# Altium PCB PDB_Mother_v1.1_PCB.PcbDoc (part 1 of 3) (continued)
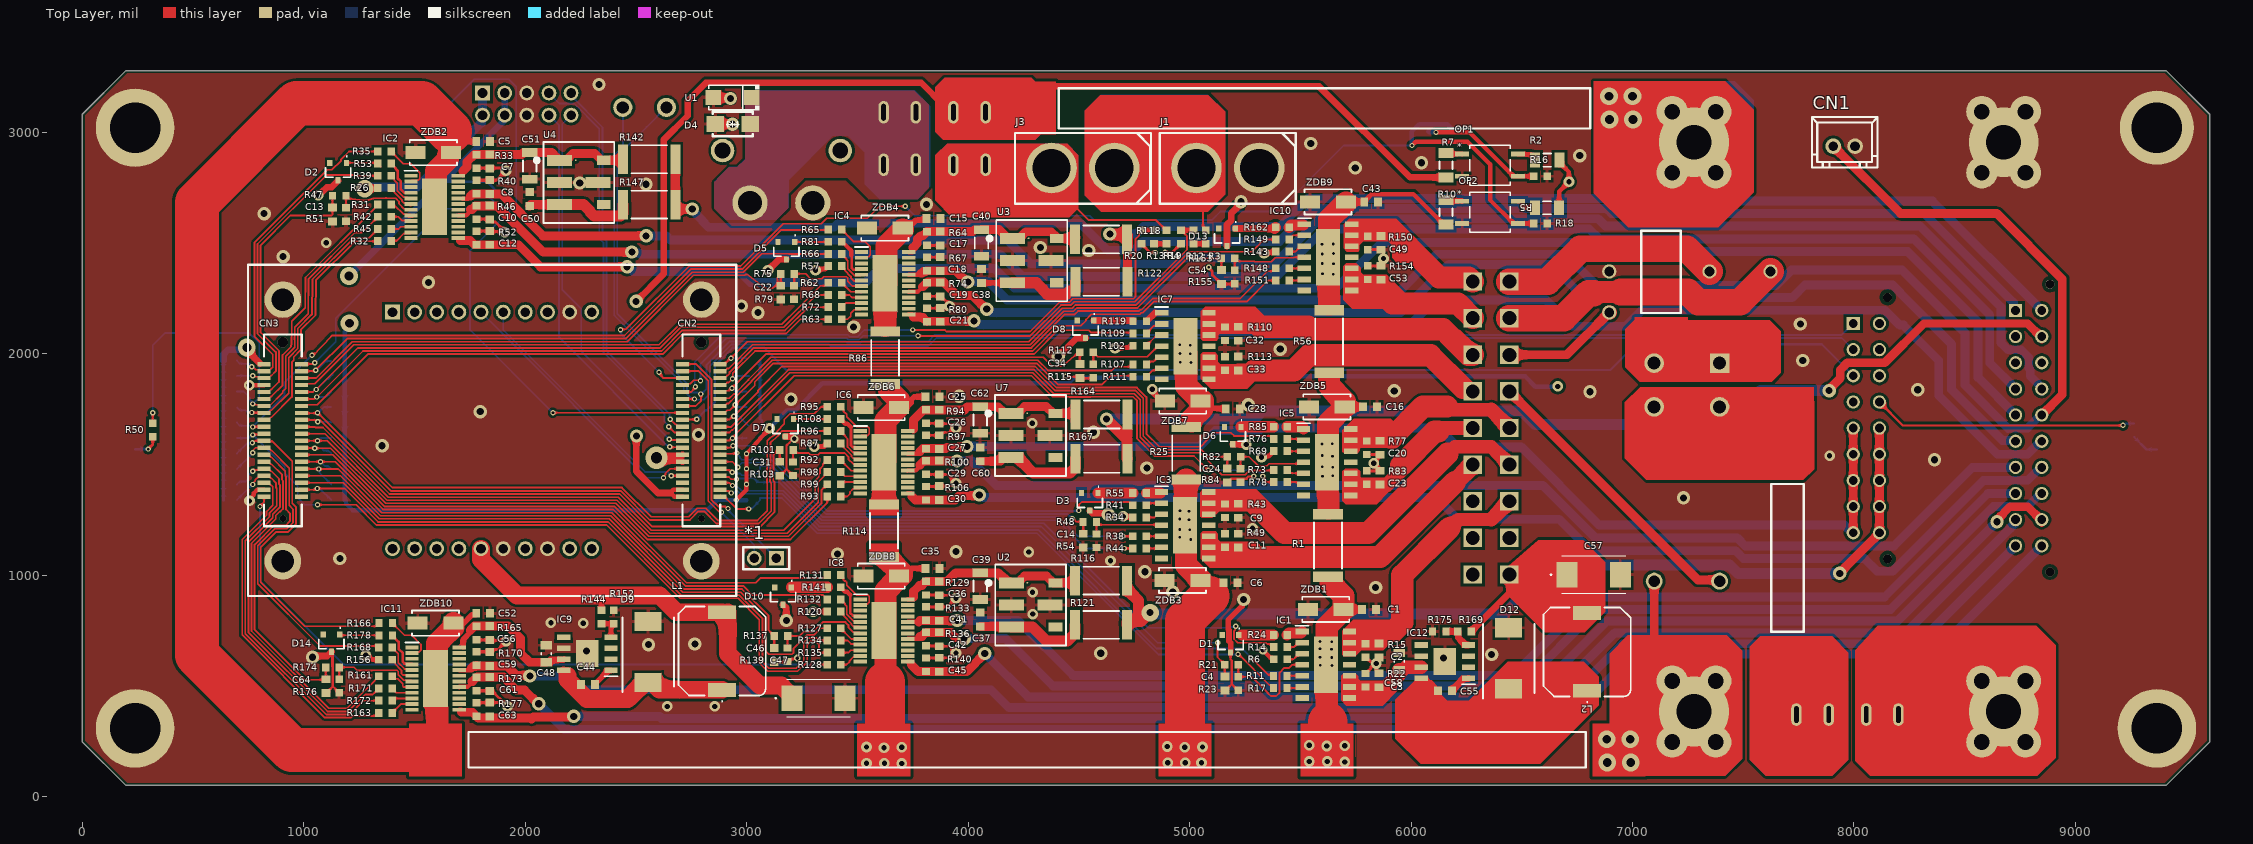
[diagram p0: Top Layer view]
## Components (designator, comment, footprint, x,y, rotation, side; value= is the part's Value field where it differs from the comment) (continued)
LED1 "0603_R" LED0603-RD_RED 6078,2972.44 r90 bottom
LED2 "0603_R" LED0603-RD_RED 6195,2973 r90 bottom
LED3 "0603_R" LED0603-RD_RED 1828.84,2686 r90 bottom
LOW1 "43045-2012" 43045-20YY_121314 8730,2195.17 r90 bottom
LOW2 "43045-1812" 43045-18YY_121314 7996.89,2136.17 r90 bottom
OP1 "EL357N(C)(TA)-VG" SOP-4-2.54mm 6357,2851 r0 top
OP2 "EL357N(C)(TA)-VG" SOP-4-2.54mm 6357,2638.44 r0 top
R1 "PCB_Jumper_QM8.2" PCB_Jumper 5625,1134 r90 top
R2 "3K" RESC3116X06N__1206RES 6615,2874 r180 top
R3 "20K" RESC1608X04N_0603RES 5073,2526.51 r90 top
R4 "75K" RESC1608X04N_0603RES 4895,2526.51 r90 top
R5 "3K" RESC3116X06N__1206RES 6614,2659 r180 top
R6 "10K" RESC1608X04N_0603RES 5410,620 r180 top
R7 "3K" RESC3116X06N__1206RES 6158,2851 r270 top
R8 "10K" RESC1608X04N_0603RES 3029.5,1338.58 r0 bottom
R9 "10K" RESC1608X04N_0603RES 3029.5,1408.57 r0 bottom
R10 "3K" RESC3116X06N__1206RES 6158,2638.44 r270 top
R11 "10K" RESC1608X04N_0603RES 5409.49,545 r180 top
R12 "20K" RESC1608X04N_0603RES 5017,2526.51 r90 top
R13 "15K" RESC1608X04N_0603RES 4839,2526.51 r90 top
R14 "10K" RESC1608X04N_0603RES 5410,675 r180 top
R15 "47K" RESC1608X04N_0603RES 5795,660 r90 top
R16 "10K" RESC1608X04N_0603RES 6584,2801 r180 top
R17 "10K" RESC1608X04N_0603RES 5409.49,490 r180 top
R18 "10K" RESC1608X04N_0603RES 6584,2588 r180 top
R19 "10K" RESC1608X04N_0603RES 4961,2526.51 r270 top
R20 "10K" RESC1608X04N_0603RES 4783,2526 r270 top
R21 "10K" RESC1608X04N_0603RES 5189.49,595 r180 top
R22 "47K" RESC1608X04N_0603RES 5795,525 r270 top
R23 "650Ω" RESC1608X04N_0603RES 5220,510 r90 top
R24 "27" RESC1608X04N_0603RES 5410,730 r180 top
R25 "0Ω" RESC6432X06N__2512RES 4985,1550 r90 top
R26 "10K" RESC1608X04N_0603RES 1365,2748 r180 top
R27 "10K" RESC1608X04N_0603RES 668,1758.53 r0 bottom
R28 "10K" RESC1608X04N_0603RES 668,1828.52 r0 bottom
R29 "10K" RESC1608X04N_0603RES 668,1898.51 r0 bottom
R30 "10K" RESC1608X04N_0603RES 668,1968.5 r0 bottom
R31 "10K" RESC1608X04N_0603RES 1364.49,2673 r180 top
R32 "10K" RESC1608X04N_0603RES 1364.49,2508 r180 top
R33 "47K" RESC1608X04N_0603RES 1780,2868.51 r90 top
R34 "10K" RESC1608X04N_0603RES 4774.21,1260.51 r180 top
R35 "10K" RESC1608X04N_0603RES 1365,2913 r180 top
R36 "10K" RESC1608X04N_0603RES 3029.5,1478.57 r0 bottom
R37 "10K" RESC1608X04N_0603RES 3029.5,1548.56 r0 bottom
R38 "10K" RESC1608X04N_0603RES 4774.21,1175.51 r180 top
R39 "10K" RESC1608X04N_0603RES 1365,2803 r180 top
R40 "47K" RESC1608X04N_0603RES 1780,2752.49 r270 top
R41 "10K" RESC1608X04N_0603RES 4774.21,1315.51 r180 top
R42 "10K" RESC1608X04N_0603RES 1364.49,2618 r180 top
R43 "47K" RESC1608X04N_0603RES 5159.21,1290.51 r90 top
R44 "10K" RESC1608X04N_0603RES 4774.21,1120.51 r180 top
R45 "10K" RESC1608X04N_0603RES 1364.49,2563 r180 top
R46 "47K" RESC1608X04N_0603RES 1780,2638 r90 top
R47 "10K" RESC1608X04N_0603RES 1160,2713 r180 top
R48 "10K" RESC1608X04N_0603RES 4549.21,1240.51 r180 top
R49 "47K" RESC1608X04N_0603RES 5159.21,1155.51 r270 top
R50 "1K" RESC1608X04N_0603RES 318,1656 r270 top
R51 "650Ω" RESC1608X04N_0603RES 1190,2627.49 r90 top
R52 "47K" RESC1608X04N_0603RES 1780,2523 r270 top
R53 "27" RESC1608X04N_0603RES 1365,2858 r0 top
R54 "650Ω" RESC1608X04N_0603RES 4579.21,1155 r90 top
R55 "27" RESC1608X04N_0603RES 4774.21,1370.51 r180 top
R56 "PCB_Jumper_QM8.2" PCB_Jumper 5630,2055 r90 top
R57 "10K" RESC1608X04N_0603RES 3399.21,2395.28 r180 top
R58 "10K" RESC1608X04N_0603RES 1154,1828.52 r180 bottom
R59 "10K" RESC1608X04N_0603RES 1154,1898.51 r180 bottom
R60 "10K" RESC1608X04N_0603RES 1154,1968.5 r180 bottom
R61 "10K" RESC1608X04N_0603RES 668,1688.54 r0 bottom
R62 "10K" RESC1608X04N_0603RES 3399.49,2320 r180 top
R63 "10K" RESC1608X04N_0603RES 3399.49,2155 r180 top
R64 "47K" RESC1608X04N_0603RES 3814.21,2520.28 r90 top
R65 "10K" RESC1608X04N_0603RES 3399.21,2560.28 r180 top
R66 "10K" RESC1608X04N_0603RES 3399.21,2450.28 r180 top
R67 "47K" RESC1608X04N_0603RES 3814.21,2405.28 r270 top
R68 "10K" RESC1608X04N_0603RES 3399.49,2265 r180 top
R69 "10K" RESC1608X04N_0603RES 5410.51,1560 r180 top
R70 "10K" RESC1608X04N_0603RES 3029.5,1618.55 r180 bottom
R71 "10K" RESC1608X04N_0603RES 3029.5,1688.54 r180 bottom
R72 "10K" RESC1608X04N_0603RES 3399.49,2210 r180 top
R73 "10K" RESC1608X04N_0603RES 5410,1475 r180 top
R74 "47K" RESC1608X04N_0603RES 3814.21,2289.76 r90 top
R75 "10K" RESC1608X04N_0603RES 3184.21,2360.28 r180 top
R76 "10K" RESC1608X04N_0603RES 5410.51,1615 r180 top
R77 "47K" RESC1608X04N_0603RES 5800,1575 r90 top
R78 "10K" RESC1608X04N_0603RES 5410,1420 r180 top
R79 "650Ω" RESC1608X04N_0603RES 3214.21,2275.28 r90 top
R80 "47K" RESC1608X04N_0603RES 3814.21,2174.76 r270 top
R81 "27" RESC1608X04N_0603RES 3399.21,2505.28 r0 top
R82 "10K" RESC1608X04N_0603RES 5200,1534.49 r180 top
R83 "47K" RESC1608X04N_0603RES 5800,1440 r270 top
R84 "650Ω" RESC1608X04N_0603RES 5230,1449.49 r90 top
R85 "27" RESC1608X04N_0603RES 5410,1670 r180 top
R86 "0Ω" RESC6432X06N__2512RES 3625,1981.89 r90 top
R87 "10K" RESC1608X04N_0603RES 3394.49,1595 r180 top
R88 "10K" RESC1608X04N_0603RES 1154,1548.56 r180 bottom
R89 "10K" RESC1608X04N_0603RES 1154,1618.55 r180 bottom
R90 "10K" RESC1608X04N_0603RES 1154,1688.54 r180 bottom
R91 "10K" RESC1608X04N_0603RES 1154,1758.53 r180 bottom
R92 "10K" RESC1608X04N_0603RES 3394.49,1520 r180 top
R93 "10K" RESC1608X04N_0603RES 3394.49,1355 r180 top
R94 "47K" RESC1608X04N_0603RES 3809.21,1715.79 r90 top
R95 "10K" RESC1608X04N_0603RES 3394.49,1760 r180 top
R96 "10K" RESC1608X04N_0603RES 3394.49,1650 r180 top
R97 "47K" RESC1608X04N_0603RES 3809.21,1600.79 r270 top
R98 "10K" RESC1608X04N_0603RES 3394.49,1465 r180 top
R99 "10K" RESC1608X04N_0603RES 3394.49,1410 r180 top
R100 "47K" RESC1608X04N_0603RES 3809.21,1485.28 r90 top
R101 "10K" RESC1608X04N_0603RES 3179.21,1565.28 r180 top
R102 "10K" RESC1608X04N_0603RES 4775,2036 r180 top
R103 "650Ω" RESC1608X04N_0603RES 3209.21,1480.28 r90 top
R104 "10K" RESC1608X04N_0603RES 3029.5,1758.53 r180 bottom
R105 "10K" RESC1608X04N_0603RES 3029.5,1828.52 r180 bottom
R106 "47K" RESC1608X04N_0603RES 3809.21,1369.76 r270 top
R107 "10K" RESC1608X04N_0603RES 4775,1951 r180 top
R108 "27" RESC1608X04N_0603RES 3394.49,1705 r0 top
R109 "10K" RESC1608X04N_0603RES 4775,2091 r180 top
R110 "47K" RESC1608X04N_0603RES 5160,2090 r90 top
R111 "10K" RESC1608X04N_0603RES 4775,1896 r180 top
R112 "10K" RESC1608X04N_0603RES 4535,2006 r180 top
R113 "47K" RESC1608X04N_0603RES 5160,1955 r270 top
R114 "0Ω" RESC6432X06N__2512RES 3620,1200 r90 top
R115 "650Ω" RESC1608X04N_0603RES 4565,1921 r90 top
R116 "0" RESC6432X06N__2512RES 4600,975 r0 top
R117 "10K" RESC1608X04N_0603RES 9265,1653.54 r270 bottom
R118 "0" RESC6432X06N__2512RES 4600,2516 r0 top
R119 "27" RESC1608X04N_0603RES 4775,2146 r180 top
R120 "10K" RESC1608X04N_0603RES 3394.21,835.28 r180 top
R121 "0" RESC6432X06N__2512RES 4600,775 r0 top
R122 "0" RESC6432X06N__2512RES 4602,2325 r0 top
R123 "10K" RESC1608X04N_0603RES 668,1618.55 r0 bottom
R124 "10K" RESC1608X04N_0603RES 1154,1338.58 r180 bottom
R125 "10K" RESC1608X04N_0603RES 1154,1408.57 r180 bottom
R126 "10K" RESC1608X04N_0603RES 1154,1478.57 r180 bottom
R127 "10K" RESC1608X04N_0603RES 3394.49,760 r180 top
R128 "10K" RESC1608X04N_0603RES 3394.49,595 r180 top
R129 "47K" RESC1608X04N_0603RES 3809.21,940.79 r90 top
R130 "1K" RESC1608X04N_0603RES 1629,3129 r90 bottom
R131 "10K" RESC1608X04N_0603RES 3393.7,1000.28 r180 top
R132 "10K" RESC1608X04N_0603RES 3394.21,890.28 r180 top
R133 "47K" RESC1608X04N_0603RES 3809.21,825.79 r270 top
R134 "10K" RESC1608X04N_0603RES 3394.49,705 r180 top
R135 "10K" RESC1608X04N_0603RES 3394.49,650 r180 top
R136 "47K" RESC1608X04N_0603RES 3809.21,710.79 r90 top
R137 "10K" RESC1608X04N_0603RES 3154.21,725.28 r180 top
R138 "3K" RESC1608X04N_0603RES 1890,2684.05 r90 bottom
R139 "650Ω" RESC1608X04N_0603RES 3184.21,640.28 r90 top
R140 "47K" RESC1608X04N_0603RES 3810,595 r270 top
R141 "27" RESC1608X04N_0603RES 3394.21,945.28 r0 top
R142 "0" RESC6432X06N__2512RES 2560,2878 r0 top
R143 "10K" RESC1608X04N_0603RES 5418.7,2460.51 r180 top
R144 "10K" RESC1608X04N_0603RES 2344,811 r90 top
R145 "10K" RESC1608X04N_0603RES 3029.5,1898.51 r180 bottom
R146 "10K" RESC1608X04N_0603RES 3029.5,1968.5 r180 bottom
R147 "0" RESC6432X06N__2512RES 2560,2673 r0 top
R148 "10K" RESC1608X04N_0603RES 5418.7,2385.51 r180 top
R149 "10K" RESC1608X04N_0603RES 5418.7,2515.51 r180 top
R150 "47K" RESC1608X04N_0603RES 5804.21,2500.51 r90 top
R151 "10K" RESC1608X04N_0603RES 5418.7,2330.51 r180 top
R152 "1.8K" RESC1608X04N_0603RES 2400,811 r270 top
R153 "10K" RESC1608X04N_0603RES 5174.21,2430.51 r180 top
R154 "47K" RESC1608X04N_0603RES 5804.21,2365.51 r270 top
R155 "650Ω" RESC1608X04N_0603RES 5204.21,2345.51 r90 top
R156 "10K" RESC1608X04N_0603RES 1369.49,618 r180 top
R157 "10K" RESC1608X04N_0603RES 668,1338.58 r0 bottom
R158 "10K" RESC1608X04N_0603RES 668,1408.57 r0 bottom
R159 "10K" RESC1608X04N_0603RES 668,1478.57 r0 bottom
R160 "10K" RESC1608X04N_0603RES 668,1548.56 r0 bottom
R161 "10K" RESC1608X04N_0603RES 1369.49,543 r180 top
R162 "27" RESC1608X04N_0603RES 5418.7,2570.51 r180 top
R163 "10K" RESC1608X04N_0603RES 1369.49,378 r180 top
R164 "0" RESC6432X06N__2512RES 4602.32,1725.28 r0 top
R165 "47K" RESC1608X04N_0603RES 1780,738.51 r90 top
R166 "10K" RESC1608X04N_0603RES 1370,783 r180 top
R167 "0" RESC6432X06N__2512RES 4602.32,1525.28 r0 top
R168 "10K" RESC1608X04N_0603RES 1369.49,673 r180 top
R169 "10K" RESC1608X04N_0603RES 6242,746 r0 top
R170 "47K" RESC1608X04N_0603RES 1780,623 r270 top
R171 "10K" RESC1608X04N_0603RES 1369.49,488 r180 top
R172 "10K" RESC1608X04N_0603RES 1369.49,433 r180 top
R173 "47K" RESC1608X04N_0603RES 1780,508 r90 top
R174 "10K" RESC1608X04N_0603RES 1130,583.51 r180 top
R175 "1.8K" RESC1608X04N_0603RES 6127.49,746 r0 top
R176 "650Ω" RESC1608X04N_0603RES 1160,498.51 r90 top
R177 "47K" RESC1608X04N_0603RES 1780,393 r270 top
R178 "27" RESC1608X04N_0603RES 1370,728 r0 top
RST1 "TS-1088-AR02016" SW-SMD_L3.9-W3.0-P4.45 238.19,1653.54 r90 bottom
RST2 "TS-1088-AR02016" SW-SMD_L3.9-W3.0-P4.45 9368.11,1653.54 r90 bottom
RST3 "TS-1088-AR02016" SW-SMD_L3.9-W3.0-P4.45 1523,3129 r90 bottom
U1 "M7_C2902910" SMA_L4.5-W2.7-LS5.1-RD 2935,3157 r180 top
U2 "K7805MT_1000R4" K7805MT_500R4 4282.2,865 r270 top
U3 "K7805MT_1000R4" K7805MT_500R4 4287.2,2420 r270 top
U4 "K7805MT_1000R4" K7805MT_500R4 2242.2,2773 r270 top
U5 "ZX-PZ2.54-2-5PZZ" HDR-TH_10P-P2.54-V-M-R2-C5-S2.54 2007,3127 r0 bottom
U6 "KF301-5.0-2P" CONN-TH_P5.00_KF301-5.0-2P 2539,3112 r0 bottom
U7 "K7805MT_1000R4" K7805MT_500R4 4281.41,1630.28 r270 top
VBAT1 "Bolt_Connecter" Bolt_Connecter 7277.43,2954.8 r90 bottom
ZDB1 "SMAJ58CA" SMA/DO214AC-BIPOLAR 5615,845 r0 top value=58V
ZDB2 "SMAJ58CA" SMA/DO214AC-BIPOLAR 1585,2908 r0 top value=58V
ZDB3 "SMAJ58CA" SMA/DO214AC-BIPOLAR 4968,976 r0 top value=58V
ZDB4 "SMAJ58CA" SMA/DO214AC-BIPOLAR 3624,2567 r0 top value=58V
ZDB5 "SMAJ58CA" SMA/DO214AC-BIPOLAR 5620,1760 r0 top value=58V
ZDB6 "SMAJ58CA" SMA/DO214AC-BIPOLAR 3607.71,1756 r0 top value=58V
ZDB7 "SMAJ58CA" SMA/DO214AC-BIPOLAR 4968.71,1786 r0 top value=58V
ZDB8 "SMAJ58CA" SMA/DO214AC-BIPOLAR 3608,995 r0 top value=58V
ZDB9 "SMAJ58CA" SMA/DO214AC-BIPOLAR 5625,2685 r0 top value=58V
ZDB10 "SMAJ58CA" SMA/DO214AC-BIPOLAR 1595,783 r0 top value=58V

## Footprints (in the part's own frame and the unit in brackets; to place one, negate y for a bottom-side part, rotate by r counter-clockwise, add the part's x,y. Pads: shape width x height; smd on the part's side, far side on the other; paste and mask are expansions set on the pad)
5569_18PIN [mm] "5569直插18PIN"
  rect 2.1x2.1 hole 1.6: 1(16.8,-2.1) 2(12.6,-2.1) 3(8.4,-2.1) 4(4.2,-2.1) 5(0,-2.1) 6(-4.2,-2.1) 7(-8.4,-2.1) 8(-12.6,-2.1) 9(-16.8,-2.1) 10(16.8,2.1) 11(12.6,2.1) 12(8.4,2.1) 13(4.2,2.1) 14(0,2.1) 15(-4.2,2.1) 16(-8.4,2.1) 17(-12.6,2.1) 18(-16.8,2.1)
  silkscreen extent -19.6,-5.26 19.6,6.2
43045-18YY_121314 [mm]
  rect 1.52x1.52 hole 1.02: 1(0,0)
  round 1.52 hole 1.02: 2(-3,0) 3(-6,0) 4(-9,0) 5(-12,0) 6(-15,0) 7(-18,0) 8(-21,0) 9(-24,0) 10(0,3) 11(-3,3) 12(-6,3) 13(-9,3) 14(-12,3) 15(-15,3) 16(-18,3) 17(-21,3) 18(-24,3)
  round 1.02 hole 1.02 unplated: 19(3,3.94) 20(-27,3.94)
  silkscreen extent -27.57,-3.17 5,5.6, body extent -27.4,-3.15 3.75,5.62, height 9.75
43045-20YY_121314 [mm]
  rect 1.52x1.52 hole 1.02: 1(0,0)
  round 1.52 hole 1.02: 2(-3,0) 3(-6,0) 4(-9,0) 5(-12,0) 6(-15,0) 7(-18,0) 8(-21,0) 9(-24,0) 10(-27,0) 11(0,3) 12(-3,3) 13(-6,3) 14(-9,3) 15(-12,3) 16(-15,3) 17(-18,3) 18(-21,3) 19(-24,3) 20(-27,3)
  round 1.02 hole 1.02 unplated: 21(3,3.94) 22(-30,3.94)
  silkscreen extent -30.58,-3.17 5,5.6, body extent -30.41,-3.15 3.75,5.62, height 9.75
ABC [mm]
  rect 1.7x1.7 hole 1.1: 1(0,0)
  round 1.7 hole 1.1: 2(2.54,0)
  silkscreen extent -1.48,-1.27 3.81,1.27
AMASS_XT60_NOMAL [mm]
  round 5.8 hole 4.4 paste-2539.97 mask+0.05: +(7.2,0) -(0,0)
  silkscreen extent -4.2,-4 11.4,4.1, body extent -4.34,-4.01 11.59,4.19, height 37.12
BAS21215 [mm]
  rect 0.6x0.7 smd: 1(-0.95,-1) 2(0.95,-1) 3(0,1)
  silkscreen extent -1.45,-1.8 1.45,0.65, body extent -1.45,-1.2 1.45,1.2, height 0.95
BOLT_CONNECTER [mm]
  round 3.6 hole 1.8: 1(-3.5,2.5) 2(-3.5,-2.5) 3(3.5,2.5) 4(3.5,-2.5)
  silkscreen extent -3.5,-4 3.5,4
Bolt_Connecter [mm]
  round 3.6 hole 1.8: 1(-3.5,2.5) 2(-3.5,-2.5) 3(3.5,2.5) 4(3.5,-2.5)
  silkscreen extent -3.5,-4 3.5,4
BTB_0.8mm_40PIN_M [mm] "0.8单槽板对板公母座合高5.0，公座，40PIN"
  rect 1.5x0.5 smd: 1(-2.16,7.6) 2(-2.16,6.8) 3(-2.16,6) 4(-2.16,5.2) 5(-2.16,4.4) 6(-2.16,3.6) 7(-2.16,2.8) 8(-2.16,2) 9(-2.16,1.2) 10(-2.16,0.4) 11(-2.16,-0.4) 12(-2.16,-1.2) 13(-2.16,-2) 14(-2.16,-2.8) 15(-2.16,-3.6) 16(-2.16,-4.4) 17(-2.16,-5.2) 18(-2.16,-6) 19(-2.16,-6.8) 20(-2.16,-7.6) 21(2.16,-7.6) 22(2.16,-6.8) 23(2.16,-6) 24(2.16,-5.2) 25(2.16,-4.4) 26(2.16,-3.6) 27(2.16,-2.8) 28(2.16,-2) 29(2.16,-1.2) 30(2.16,-0.4) 31(2.16,0.4) 32(2.16,1.2) 33(2.16,2) 34(2.16,2.8) 35(2.16,3.6) 36(2.16,4.4) 37(2.16,5.2) 38(2.16,6) 39(2.16,6.8) 40(2.16,7.6)
  silkscreen extent -2.16,-11 2.16,11
CAPC1608X08N__0603CAPUNPOLE [mm] "Chip Capacitor, 2-Leads, Body 1.60x0.80mm, IPC Medium Density"
  rect 0.9x1 smd: 1(-0.8,0) 2(0.8,0)
  body extent -0.8,-0.4 0.8,0.4, height 0.81
CAPC2012X06N__0805CAPUNPOLE [mm] "Chip Capacitor, 2-Leads, Body 2.00x1.23mm, IPC Medium Density"
  rect 0.95x1.35 smd: 1(-0.975,0) 2(0.975,0)
  silkscreen extent -0.1,-0.58 0.1,0.58, body extent -1,-0.63 1,0.63, height 1.26
CAPC3216X16N_1206CAPUNPOLE [mm] "Chip Capacitor, 2-Leads, Body 3.20x1.60mm, IPC Medium Density"
  rect 1x1.75 smd: 1(-1.525,0) 2(1.525,0)
  silkscreen extent -0.65,-0.77 0.65,0.77, body extent -1.6,-0.8 1.6,0.8, height 1.7
CONN-TH_P5.00_KF301-5.0-2P [mm]
  round 2.2 hole 1.4: 1(-2.5,0) 2(2.5,0)
  silkscreen extent -5,-3.7 5.71,4
CONN-TH_XH-2A [mm]
  round 1.8 hole 1.1: 1(-1.251,0) 2(1.251,0)
  silkscreen extent -3.69,-2.45 3.83,3.35
DIOM7959X250N [mm]
  rect 2.2x3.1 smd: 1(-3.5,0) 2(3.5,0)
  silkscreen extent -4.6,-2.95 3.97,2.95, body extent -3.97,-2.95 3.97,2.95, height 2.5
EC800M_CORE_BOARD [mm]
  rect 1.7x1.7 hole 1.1 mask-2539.97: 1(-13.564,11.43)
  round 1.7 hole 1.1 mask-2539.97: 2(-13.564,8.89) 3(-13.564,6.35) 4(-13.564,3.81) 5(-13.564,1.27) 6(-13.564,-1.27) 7(-13.564,-3.81) 8(-13.564,-6.35) 9(-13.564,-8.89) 10(-13.564,-11.43) 11(13.564,11.43) 12(13.564,8.89) 13(13.564,6.35) 14(13.564,3.81) 15(13.564,1.27) 16(13.564,-1.27) 17(13.564,-3.81) 18(13.564,-6.35) 19(13.564,-8.89) 20(13.564,-11.43)
  silkscreen extent -14.96,-15.24 14.96,15.21
HDR-TH_10P-P2.54-V-M-R2-C5-S2.54 [mm]
  rect 1.7x1.7 hole 1.1: 1(-5.08,-1.27)
  round 1.7 hole 1.1: 2(-5.08,1.27) 3(-2.54,-1.27) 4(-2.54,1.27) 5(0,-1.27) 6(0,1.27) 7(2.54,-1.27) 8(2.54,1.27) 9(5.08,-1.27) 10(5.08,1.27)
  silkscreen extent -6.35,-2.54 6.35,2.54
HF14FW005HPTF [mm]
  rect 2.25x2.25 hole 1.5: 1(0,0)
  round 2.25 hole 1.5: 2(0,7.5) 3(5,0) 4(5,7.5)
  round 1.95 hole 1.3: 5(25,0) 6(25,7.5)
  silkscreen extent -2.6,-2.75 27,10.25, body extent -2,-2.75 27,10.25, height 26.6
HF46F024HS1T [mm]
  round 1.65 hole 1.1: 1(0,0) 2(0,-4.7) 3(11.5,-4.7) 4(18.5,-4.7)
  silkscreen extent -2,-5.85 19.45,1.15, body extent -1.05,-5.85 19.45,1.15, height 15.7
K7805MT_500R4 [mm]
  round 0.2 smd mask+0.1: 0(-2.557,-0.369)
  rect 1.25x2.87 smd mask+0.102: 1(-2.54,-2.215) 2(0,-2.215) 3(2.54,-2.215) 5(0,2.215)
  rect 1.05x1.58 smd mask+0.102: 4(2.54,2.86) 6(-2.54,2.86)
  silkscreen extent -4.65,-5.03 4.65,4.06, body extent -4.37,-3.53 4.63,3.47, height 3.1
LED0603-RD_RED [mm]
  rect 0.8x0.8 smd: 1(-0.8,-0.003) 2(0.8,0.003)
  silkscreen extent -1.49,-0.75 1.39,0.76
PCB_Jumper [mm] "QM8.2"
  rect 1.2x3.4 smd: 1(-3.6,0) 2(3.6,0)
  silkscreen extent -2.65,-1.6 2.65,1.6, body extent -3.2,-1.6 3.2,1.6, height 1.1
PG-TDSO-14 [mm]
  rect 1.525x0.65 smd: 1(-2.712,3.81) 2(-2.712,2.54) 3(-2.712,1.27) 4(-2.712,0) 5(-2.712,-1.27) 6(-2.712,-2.54) 7(-2.712,-3.81) 8(2.712,-3.81) 9(2.712,-2.54) 10(2.712,-1.27) 11(2.712,0) 12(2.712,1.27) 13(2.712,2.54) 14(2.712,3.81)
  rect 2.75x6.5 smd: 15(0,0)
  silkscreen extent -3.47,4.48 -1.95,4.48, body extent -3,-4.33 3,4.33, height 1.15
PG-TSDSO-24 [mm]
  rect 1.525x0.45 smd: 1(-2.712,3.575) 2(-2.712,2.925) 3(-2.712,2.275) 4(-2.712,1.625) 5(-2.712,0.975) 6(-2.712,0.325) 7(-2.712,-0.325) 8(-2.712,-0.975) 9(-2.712,-1.625) 10(-2.712,-2.275) 11(-2.712,-2.925) 12(-2.712,-3.575) 13(2.712,-3.575) 14(2.712,-2.925) 15(2.712,-2.275) 16(2.712,-1.625) 17(2.712,-0.975) 18(2.712,-0.325) 19(2.712,0.325) 20(2.712,0.975) 21(2.712,1.625) 22(2.712,2.275) 23(2.712,2.925) 24(2.712,3.575)
  rect 2.87x6.5 smd: 25(0,0)
  silkscreen extent -3.47,4.15 -1.95,4.15, body extent -3,-4.33 3,4.33, height 1.15
POSCAP_D12_D15_D15E_D2E_D2_D3L_D4 [mm]
  rect 2.4x2.9 smd: 1(-3.05,0) 2(3.05,0)
  silkscreen extent -4.95,-2.15 3.65,2.15, body extent -3.65,-2.15 3.65,2.15, height 1.8
RESC1608X04N_0603RES [mm] "Chip Resistor, 2-Leads, Body 1.60x0.80mm, IPC Medium Density"
  rect 0.85x0.9 smd: 1(-0.775,0) 2(0.775,0)
  body extent -0.8,-0.4 0.8,0.4, height 0.47
RESC3116X06N__1206RES [mm] "Chip Resistor, 2-Leads, Body 3.10x1.58mm, IPC Medium Density"
  rect 1.15x1.7 smd: 1(-1.4,0) 2(1.4,0)
  silkscreen extent -0.45,-0.75 0.45,0.75, body extent -1.6,-0.8 1.6,0.8, height 0.62
RESC6432X06N__2512RES [mm] "Chip Resistor, 2-Leads, Body 6.35x3.20mm, IPC Medium Density"
  rect 1.15x3.4 smd: 1(-3,0) 2(3,0)
  silkscreen extent -2.05,-1.6 2.05,1.6, body extent -3.2,-1.6 3.2,1.6, height 1.1
SDRH104R3R3NT [mm]
  rect 3.2x1.6 smd: 1(0,-4.45) 2(0,4.45)
  silkscreen extent -5,-5.8 5,5.1, body extent -5,-5.1 5,5.1, height 4.2
SMA/DO214AC-BIPOLAR [mm] "Molded Diode, 2-Leads, Body 5.14x2.56mm, IPC Medium Density"
  rect 2.3x1.5 smd: 1(-2.05,0) 2(2.05,0)
  silkscreen extent -2.7,-1.45 2.7,1.45, body extent -2.6,-1.45 2.6,1.45, height 2.3
SMA_L4.3-W2.5-LS5.0-BI [mm]
  rect 2x1.8 smd: 1(-2,0) 2(2,0)
  silkscreen extent -2.3,-1.4 2.3,1.4
SMA_L4.5-W2.7-LS5.1-RD [mm]
  rect 1.8x1.7 smd: 1(-2.193,0) 2(2.193,0)
  silkscreen extent -3.11,-1.48 2.73,1.48
SOIC127P600X170-9N [mm]
  rect 1.525x0.65 smd: 1(-2.712,1.905) 2(-2.712,0.635) 3(-2.712,-0.635) 4(-2.712,-1.905) 5(2.712,-1.905) 6(2.712,-0.635) 7(2.712,0.635) 8(2.712,1.905)
  rect 2.6x3.1 smd: 9(0,0)
  silkscreen extent -3.47,2.58 -1.95,2.58, body extent -3.01,-2.45 3.01,2.45, height 1.57
SOP-4-2.54mm [mil]
  rect 63x22 smd paste+0 mask+0: 1(-126,50) 2(-126,-50) 3(126,-50) 4(126,50)
  silkscreen extent -92,-90 92,90, body extent -144,-84 144,84, height 79
SW-SMD_L3.9-W3.0-P4.45 [mm]
  rect 1.23x1.36 smd: 1(-2.185,0) 2(2.185,0)
  silkscreen extent -2.03,-1.62 2.25,1.62
XF-506P [mm] "for-automotivefuse-mini"
  oval 1.2x2.6 hole 0.5 slot 1.9 at 90 deg: 1(0,0) 1(3.7,0) 2(8,0) 2(11.7,0)
  silkscreen extent -1.55,-2.75 13.25,2.05
XT60PWM [mm]
  round 4.05 hole 2.7: 1(-3.6,0) 2(3.6,0)
  round 2.7 hole 1.8: 3(6.75,6) 4(-6.75,6)
  silkscreen extent -7.75,-1.85 7.75,16.35, body extent -7.95,-1.98 7.95,16.3, height 8.44

## Part data
C1 C2 C3 C4 C5 C6 C7 C8 C9 C10 C11 C12 C13 C14 C15 C16 C17 C18 C19 C20 C21 C22 C23 C24 C25 C26 C27 C28 C29 C30 C31 C32 C33 C34 C35 C36 C41 C42 C43 C44 C45 C46 C48 C49 C52 C53 C54 C55 C56 C58 C59 C61 C63 C64: library part SMD_MLCC, "Std MLCC Cap", voltage rating=?V
  C1 C5 C6 C15 C16 C25 C28 C35 C43 C52: Type=100nF
  C2 C3 C7 C8 C9 C10 C11 C12 C17 C18 C19 C20 C21 C23 C26 C27 C29 C30 C32 C33 C36 C41 C42 C44 C45 C49 C53 C55 C56 C59 C61 C63: Type=10nF
  C4 C13 C14 C22 C24 C31 C34 C46 C54 C64: Type=100pF
  C48 C58: Type=22uF
C37 C38 C39 C40 C50 C51 C60 C62: library part SMD_MLCC, "Std MLCC Cap"
  C37 C38 C50 C60: Type=22uF\10V
  C39 C40 C51 C62: Type="10uF 50V"
C47 C57: "Capacitor Polarised", Manufacturer_Name=Panasonic, Mouser Part Number=667-10TPB330M, Arrow Part Number=10TPB330M, Arrow Price/Stock=https://www.arrow.com/en/products/10tpb330m/panasonic?region=nac, Datasheet Link=http://industrial.panasonic.com/cdbs/www-data/pdf/AAA8000/AAA8000C65.pdf, Manufacturer_Part_Number=10TPB330M, Mouser Price/Stock=https://www.mouser.co.uk/ProductDetail/Panasonic/10TPB330M?qs=OE1iw1LrrPGJ%2FhG9UwG4gg%3D%3D
CN1: library part XH-2A_C20079, JLCPCB Part Class="Extended Part", LCSC Part Name="系列:XH 间距:2.5mm 1x2P", Manufacturer=BOOMELE(博穆精密), Add into BOM=yes, Contact Material=-, Convert to PCB=yes, Datasheet=https://atta.szlcsc.com/upload/public/pdf/source/20151225/1457707654857.pdf, Device=XH-2A_C20079, Manufacturer Part=XH-2A, Mounting Style=-, Name=XH-2A, Number of Pins=2P, Number of PINs Per Row=2, Number of Rows=1, Pins Structure=1x2P, Pitch=2.5mm, Reference Series=XH, Row Spacing=-, Supplier=LCSC, Supplier Footprint=插件,P=2.5mm, Supplier Part=C20079, Symbol=XH-2A
D1 D2 D3 D5 D6 D7 D8 D10 D13 D14: "Diode", Manufacturer_Name=Nexperia, Mouser Part Number=771-BAS21-T/R, Arrow Part Number=BAS21,215, Arrow Price/Stock=https://www.arrow.com/en/products/bas21215/nexperia, Datasheet Link=https://assets.nexperia.com/documents/data-sheet/BAS21.pdf, Height=1.1mm, Manufacturer_Part_Number=BAS21,215, Mouser Price/Stock=https://www.mouser.co.uk/ProductDetail/Nexperia/BAS21215?qs=me8TqzrmIYVAUvbefFMRnQ%3D%3D
D4: "C353457", Breakdown Voltage=31.1V, JLCPCB Part Class="Extended Part", LCSC Part Name="双向TVS 28V截止 8.8A峰值脉冲", Manufacturer=晶导微电子, Manufacturer Part=SMAJ28CA, Maximum Clamping Voltage=45.4V, Peak Pulse Current (Ipp)@10/1000us=8.8A, Reverse Leakage Current (Ir)=1uA, Reverse Stand-Off Voltage (Vrwm)=28V, Add into BOM=yes, Convert to PCB=yes, Datasheet=https://atta.szlcsc.com/upload/public/pdf/source/20190103/C353498_9C52E1B7CA7D9691073072057BB1DA1A.pdf, Device=SMAJ28CA_C353457, Supplier=LCSC, Supplier Footprint=SMA, Supplier Part=C353457, Symbol=SMAJ28CA_C353457, Type=TVS
D9 D12: "Diode", Manufacturer_Name="Diodes Incorporated", Mouser Part Number=621-B540C-F, Arrow Part Number=B540C-13-F, Arrow Price/Stock=https://www.arrow.com/en/products/b540c-13-f/diodes-incorporated?region=nac, Datasheet Link=https://componentsearchengine.com/Datasheets/2/B540C-13-F.pdf, Height=2.5mm, Manufacturer_Part_Number=B540C-13-F, Mouser Price/Stock=https://www.mouser.co.uk/ProductDetail/Diodes-Incorporated/B540C-13-F?qs=v2dnQLbuoRZXHN%2FK4ft5%252Bg%3D%3D
FU1 FU2 FU3: "小型汽车插片保险丝座"
IC1 IC3 IC5 IC7 IC10: "Integrated Circuit", Manufacturer_Name=Infineon, Mouser Part Number=726-BTT60502ERAXUMA1, Arrow Part Number=BTT60502ERAXUMA1, Arrow Price/Stock=https://www.arrow.com/en/products/btt60502eraxuma1/infineon-technologies-ag?region=nac, Datasheet Link=https://www.infineon.com/dgdl/Infineon-BTT6050-2ERA-DS-v01_00-EN.pdf?fileId=5546d46269e1c019016a21d599df0d6a, Height=1.15mm, Manufacturer_Part_Number=BTT60502ERAXUMA1, Mouser Price/Stock=https://www.mouser.co.uk/ProductDetail/Infineon-Technologies/BTT60502ERAXUMA1?qs=mAH9sUMRCtsi1%2FDCmYjCiw%3D%3D
IC2 IC4 IC6 IC8 IC11: "Integrated Circuit", Manufacturer_Name=Infineon, Mouser Part Number=726-BTT62004ESAXUMA1, Arrow Part Number=BTT62004ESAXUMA1, Arrow Price/Stock=https://www.arrow.com/en/products/btt62004esaxuma1/infineon-technologies-ag, Datasheet Link=https://componentsearchengine.com/Datasheets/2/BTT62004ESAXUMA1.pdf, Height=1.15mm, Manufacturer_Part_Number=BTT62004ESAXUMA1, Mouser Price/Stock=https://www.mouser.co.uk/ProductDetail/Infineon-Technologies/BTT62004ESAXUMA1?qs=unwgFEO1A6tpV1sLwJtTRA%3D%3D
IC9 IC12: "Integrated Circuit", Manufacturer_Name="Texas Instruments", Mouser Part Number=595-TPS5450DDA, Arrow Part Number=TPS5450DDA, Arrow Price/Stock=https://www.arrow.com/en/products/tps5450dda/texas-instruments?region=nac, Datasheet Link=http://www.ti.com/lit/ds/symlink/tps5450.pdf, Height=1.7mm, Manufacturer_Part_Number=TPS5450DDA, Mouser Price/Stock=https://www.mouser.co.uk/ProductDetail/Texas-Instruments/TPS5450DDA?qs=h%2FYsCRHtaqPow3uMxnjN5A%3D%3D
J1 J3: library part AmassXTxx_Connector, Type=XT60H
J2: "Connector", Manufacturer_Name="Changzou Amass Elec", Datasheet Link=https://www.tme.eu/Document/9b8d0c5eb7094295f3d3112c214d3ade/XT60PW%20SPEC.pdf, Height=8.4mm, Manufacturer_Part_Number=XT60PW-M
K1: "Relay or Contactor", Manufacturer_Name=Hongfa, Datasheet Link=https://docs.rs-online.com/d608/0900766b81663c99.pdf, Height=26.5mm, Manufacturer_Part_Number=HF14FW/024-HSTF
K2: "Relay or Contactor", Manufacturer_Name=Hongfa, Manufacturer_Part_Number=HF46F/024-HS1T, Datasheet Link=https://www.tme.com/Document/c87786c546bba5bb9984c9460ff2ec46/HF46F_en.pdf, Height=15.6mm
L1 L2: library part SDRH104R-3R3NT, "Inductor", Manufacturer_Name=TSA, Datasheet Link=http://www.tsasun.com/uploadfile/SDRH%20Series.pdf, Height=4.1mm, Manufacturer_Part_Number=SDRH104R-3R3NT
LED1 LED2 LED3: library part LED, "Light Emitting Diode", Type=0805-R, Type2=DIP-HDR1*2-R
LOW1: "Connector", Manufacturer_Name=Molex, Mouser Part Number=538-43045-2012, Datasheet Link=https://www.molex.com/pdm_docs/sd/430450612_sd.pdf, Height=9.91mm, Manufacturer_Part_Number=43045-2012, Mouser Price/Stock=https://www.mouser.co.uk/ProductDetail/Molex/43045-2012?qs=UeCeOHRHQeaNtH3DnNjSvA%3D%3D
LOW2: "Connector", Manufacturer_Name=Molex, Mouser Part Number=538-43045-1812, Datasheet Link=https://www.molex.com/pdm_docs/sd/430450612_sd.pdf, Height=9.91mm, Manufacturer_Part_Number=43045-1812, Mouser Price/Stock=https://www.mouser.co.uk/ProductDetail/Molex/43045-1812?qs=mrPiglD9aYKqQsv7cU%2F4pg%3D%3D
OP1 OP2: "No Description Available / 立创编号：C108648", Mfr_Name=Everlight, RefDes=RefDes, Type=Type
R2 R5 R7 R10 R12 R13 R16 R18: library part SMD_Resistor, "Std Resistor"
  R2 R5 R7 R10: Type=3K
  R12: Type=20K
  R13: Type=15K
  R16 R18: Type=10K
R3 R4 R6 R8 R9 R11 R14 R15 R17 R19 R20 R21 R22 R23 R24 R25 R26 R27 R28 R29 R30 R31 R32 R33 R34 R35 R36 R37 R38 R39 R40 R41 R42 R43 R44 R45 R46 R47 R48 R49 R50 R51 R52 R53 R54 R55 R57 R58 R59 R60 R61 R62 R63 R64 R65 R66 R67 R68 R69 R70 R71 R72 R73 R74 R75 R76 R77 R78 R79 R80 R81 R82 R83 R84 R85 R86 R87 R88 R89 R90 R91 R92 R93 R94 R95 R96 R97 R98 R99 R100 R101 R102 R103 R104 R105 R106 R107 R108 R109 R110 R111 R112 R113 R114 R115 R116 R117 R118 R119 R120 R121 R122 R123 R124 R125 R126 R127 R128 R129 R130 R131 R132 R133 R134 R135 R136 R137 R138 R139 R140 R141 R142 R143 R144 R145 R146 R147 R148 R149 R150 R151 R152 R153 R154 R155 R156 R157 R158 R159 R160 R161 R162 R163 R164 R165 R166 R167 R168 R169 R170 R171 R172 R173 R174 R175 R176 R177 R178: library part SMD_Resistor, "Std Resistor", power rating=100mW, voltage rating=75V
  R3: Type=20K
  R4: Type=75K
  R6 R8 R9 R11 R14 R17 R19 R20 R21 R26 R27 R28 R29 R30 R31 R32 R34 R35 R36 R37 R38 R39 R41 R42 R44 R45 R47 R48 R57 R58 R59 R60 R61 R62 R63 R65 R66 R68 R69 R70 R71 R72 R73 R75 R76 R78 R82 R87 R88 R89 R90 R91 R92 R93 R95 R96 R98 R99 R101 R102 R104 R105 R107 R109 R111 R112 R117 R120 R123 R124 R125 R126 R127 R128 R131 R132 R134 R135 R137 R143 R144 R145 R146 R148 R149 R151 R153 R156 R157 R158 R159 R160 R161 R163 R166 R168 R169 R171 R172 R174: Type=10K
  R15 R22 R33 R40 R43 R46 R49 R52 R64 R67 R74 R77 R80 R83 R94 R97 R100 R106 R110 R113 R129 R133 R136 R140 R150 R154 R165 R170 R173 R177: Type=47K
  R23 R51 R54 R79 R84 R103 R115 R139 R155 R176: Type=650Ω
  R24 R53 R55 R81 R85 R108 R119 R141 R162 R178: Type=27
  R25 R86 R114: Type=0Ω
  R50 R130: Type=1K
  R116 R118 R121 R122 R142 R147 R164 R167: Type=0
  R138: Type=3K
  R152 R175: Type=1.8K
RST1 RST2 RST3: "Switch", Manufacturer_Name=XUNPU, Datasheet Link=https://www.xunpudianzi.com/uploads/pdf/TS-1088-ARXXX.pdf, Height=2mm, Manufacturer_Part_Number=TS-1088-AR02016
U1: Average Rectified Current (Io)=1A, Forward Voltage (Vf@If)=1.1V@1A, JLCPCB Part Class="Extended Part", LCSC Part Name="电压:1kV 电流:1A", Manufacturer=MSKSEMI(美森科), Manufacturer Part=M7, Reverse Leakage Current=5uA@1kV, Reverse Voltage (Vr)=1kV, Add into BOM=yes, Convert to PCB=yes, Datasheet=https://atta.szlcsc.com/upload/public/pdf/source/20230818/6D837163743024F173AA17A66C45A9BC.pdf, Device=M7_C2902910, Diode Configuration=-, Supplier=LCSC, Supplier Footprint=DO-214AC, Supplier Part=C2902910, Symbol=M7_C2902910
U2 U3 U4 U7: library part K78052MT_1000R4
U5: Color=黑色, Current Rating (Max)=3A, JLCPCB Part Class="Extended Part", LCSC Part Name="间距:2.54mm 2x5P 直插 方针", Manufacturer=Megastar(兆星), Operating Temperature Range=-40℃~+105℃, Soldering Temperature(Max)=260℃@5s, Voltage Rating (Max)=1kV, Add into BOM=yes, Circluar Pins/Square Pins=方针, Contact Material=黄铜, Contact Plating=金, Convert to PCB=yes, Datasheet=https://atta.szlcsc.com/upload/public/pdf/source/20231122/7DD2FA5A7FDBC10CDDB6051CB6BC6AD1.pdf, Device=ZX-PZ2.54-2-5PZZ, Insulation Height=2.5mm, Length of End Connection Pin=3mm, Length of Mating Pin=6mm, Manufacturer Part=ZX-PZ2.54-2-5PZZ, Mounting Type=直插, Number of Pins=5P, Number of Rows=双排, Pin Structure=2x5P, Pitch=2.54mm, Row Spacing=2.54mm, Supplier=LCSC, Supplier Footprint=插件,P=2.54mm, Supplier Part=C7501276, Symbol=ZX-PZ2.54-2-5PZZ
U6: "螺钉式接线端子 C474881", Color=蓝色, Current Rating (Max)=17A, JLCPCB Part Class="Extended Part", LCSC Part Name="5mm 1x2P 排数:1 每排P数:2 直插", Manufacturer=KEFA(科发), Operating Temperature Range=-30℃~+120℃, Voltage Rating (Max)=250V, Add into BOM=yes, Convert to PCB=yes, Datasheet=https://atta.szlcsc.com/upload/public/pdf/source/20230317/03A5B5FC229D6F9225E8F51DA1A4E80A.pdf, Device=KF301-5.0-2P, Manufacturer Part=KF301-5.0-2P, Mounting Style=直插, Number of Pins=2P, Number of PINs Per Row=2, Number of Rows=1, Pitch=5mm, Structure=1x2P, Supplier=LCSC, Supplier Footprint=插件,P=5mm, Supplier Part=C474881, Symbol=KF301-5.0-2P, Wire Gauge - AWG=14~22, Wire Gauge - mm2=1.5
ZDB1 ZDB2 ZDB3 ZDB4 ZDB5 ZDB6 ZDB7 ZDB8 ZDB9 ZDB10: library part TVS_Diode_Bipolar, "Bipolar Transient Voltage Supressor", Type=SMAJ58CA
CN2 CN3: System=Connector

## Free pads (board coordinates)
  round 354.33 hole 228.35: 8(238.19,307.87) 8(238.19,3020.47) 8(9368.11,307.87)
  round 334.65 hole 228.35: 8(9368.11,3020.47)
  round 165.35 hole 102.36: 15(905.51,2244.09) 16(2795.28,2244.09) 17(905.51,1062.99) 18(2795.28,1062.99)

## Via types
v1: diameter 24, hole 12, Top Layer to Bottom Layer, 120 vias
v2: diameter 60, hole 32, Top Layer to Bottom Layer, 75 vias
v3: diameter 48, hole 24, Top Layer to Bottom Layer, 58 vias
v4: diameter 80, hole 40, Top Layer to Bottom Layer, 12 vias
v5: diameter 314.96, hole 157.48, Top Layer to Bottom Layer, 4 vias
v6: diameter 31.5, hole 31.5, Top Layer to Bottom Layer, 2 vias
v7: diameter 47.24, hole 47.24, Top Layer to Bottom Layer, 2 vias
v8: diameter 80, hole 32, Top Layer to Bottom Layer, 1 vias
v9: diameter 100, hole 50, Top Layer to Bottom Layer, 1 vias
v10: diameter 40, hole 20, Top Layer to Bottom Layer, 1 vias
v11: diameter 48, hole 20, Top Layer to Bottom Layer, 1 vias
v12: diameter 36, hole 20, Top Layer to Bottom Layer, 1 vias
v13: diameter 30, hole 16, Top Layer to Bottom Layer, 1 vias

## Nets (pads, with @x,y where several pads share a name; then routed paths per layer and width w, separated by ;. In a path a pad name is that pad's centre, name@x,y a point inside that pad or via, vN(x,y) a via of type N, cw(c..) or ccw(c..) an arc to the next point about the centre after c; other vN are vias at no path point)
3.3V: CN3.1 R2.1 R5.1 R8.1 R9.1 R27.1 R28.1 R29.1 R30.1 R36.1 R37.1 R58.1 R59.1 R60.1 R61.1 R70.1 R71.1 R88.1 R89.1 R90.1 R91.1 R104.1 R105.1 R123.1 R124.1 R125.1 R126.1 R138.2 R145.1 R146.1 R157.1 R158.1 R159.1 R160.1 U5.3 U5.4 | length 11314.7
  Top Layer w20: v1(2953,1339) 2998.23,1384.23 2998.23,1410.08 v1(2998.99,1410.85) ; v1@2998.61,1411.23 2998.99,1411.61 v1(2998.99,1480.84) v1(2998.99,1548.56) 3010.71,1560.27 v11(3103.12,1663.75) ; R5.1@6669.12,2659 6669.12,2732.12 v3(6713,2776) 6713,2820.29 6670.12,2863.17 R2.1@6670.12,2874
  Top Layer w30: v4(742.85,2027.91) 742.85,2014.87 CN3.1@802.87,1954.84
  POWER w30: v3(6662,1852) 6713,1903 v3(6713,2776)
  POWER w60: v4(742.85,2027.91) 748.26,2027.91 837.15,2116.8 1180.39,2116.8 1200.59,2137 v4(1206,2137) 1206,2349 v4(1204,2351)
  Bottom Layer w12: R157.1@637.49,1338.58 R158.1@637.49,1408.57 R159.1@637.49,1478.57 R160.1@637.49,1548.56 R123.1@637.49,1618.55 R61.1@637.49,1688.54 R27.1@637.49,1758.53 R28.1@637.49,1828.52 R29.1@637.49,1898.51 R30.1@637.49,1968.5 ; 1630,2777 1826.58,2777 1889.02,2714.56 R138.2@1890,2714.56 ; R146.1@3060.02,1968.5 R145.1@3060.02,1898.51 R105.1@3060.02,1828.52 R104.1@3060.02,1758.53 3060.02,1706.46 3068.48,1697.99 3068.48,1679.09 3070.75,1676.82 3089.65,1676.82 3102.72,1663.75 v11(3103.12,1663.75)
  Bottom Layer w20: R124.1@1184.51,1338.58 R125.1@1184.51,1408.57 R126.1@1184.51,1478.57 R88.1@1184.51,1548.56 R89.1@1184.51,1618.55 R90.1@1184.51,1688.54 R91.1@1184.51,1758.53 R58.1@1184.51,1828.52 R59.1@1184.51,1898.51 R60.1@1184.51,1968.5 1184.51,2099.28 1206,2120.76 v4(1206,2137) ; R124.1@1190.51,1338.58 1190.51,1323.02 1219.87,1293.65 2821.78,1293.65 2867.12,1339 v1(2953,1339) 2953.21,1338.79 2998.78,1338.79 R8.1@2998.99,1338.58 ; R70.1@3060.02,1618.55 3060.02,1619.53 3105,1664.52 3105,1665.63 3183.76,1744.39 3220.32,1744.39 3341.72,1865.78 4453.25,1865.78 4479.48,1892 5320.29,1892 5325.29,1897 6515.27,1897 6561.27,1851 6661,1851 v3(6662,1852)
  Bottom Layer w30: R30.1@637.49,1968.5 637.49,1996.66 659.17,2018.34 733.28,2018.34 v4(742.85,2027.91) ; v4(1204,2351) 1630,2777 1899.93,3046.93 1899.93,3069.93 U5.4@1907,3077 U5.3@1907,3177
5V: CN2.14 CN2.15 R6.2 R26.2 R34.2 R57.2 R69.2 R87.2 R102.2 R120.2 R143.2 R156.2 U5.1 U5.2 | length 14489.3
  Top Layer w20: v3(1280,639) 1287.58,639 1308.58,618 R156.2@1338.98,618 ; v3(3300,835) 3300.14,835.14 3363.56,835.14 R120.2@3363.7,835.28 ; v3(3305,1580) 3349.96,1580 3363.98,1594.02 R87.2@3363.98,1595 ; v3(3311,2376) 3316.36,2381.36 3354.78,2381.36 3360.98,2387.56 3361.96,2387.56 3368.7,2394.29 R57.2@3368.7,2395.28 ; v3(4663,2024) 4737.76,2028.28 R102.2@4743,2039.34 ; v3(4700,1265) 4702.24,1262.76 4741.45,1262.76 R34.2@4743.7,1260.51 ; v3(5325,1531.5) 5330.36,1536.86 5357.84,1536.86 5380,1559.02 R69.2@5380,1560 ; v10(5331.09,661) 5364.37,627.72 5372.76,627.72 5379.49,620.98 R6.2@5379.49,620 ; v3(5336,2453) 5339.76,2456.76 5384.43,2456.76 R143.2@5388.19,2460.51
  Top Layer w30: v4(1275,2745) 1276.5,2746.5 1332.99,2746.5 R26.2@1334.49,2748 ; CN2.15@2710.24,1511.81 2705.08,1516.97 2605.03,1516.97 v9(2592,1530) 2600.15,1538.15 2705.08,1538.15 CN2.14@2710.24,1543.31
  POWER w20: v3(1280,639) 1286,639 1664,1017 2332.43,1017 2592,1276.57 v9(2592,1530) 2598,1536 2842,1536 2858.51,1519.49 2982.8,1519.49 2985.74,1516.56 3013.59,1516.56 3016.53,1519.49 3244.49,1519.49 v3@3302.5,1577.5 ; v3(3300,835) 3302.5,837.5 v3@3302.5,1577.5 ; v3(3311,2376) 3308,2373 3308,1587 v3@3310,1585 ; v3(5325,1531.5) 5317.42,1531.5 5309.92,1539 4974,1539 v3(4700,1265) 4658,1223 3931,1223 ; v10(5331.09,661) 5325.68,661 5317.87,668.81 5304.19,668.81 5240,733 4426.23,733 4336,823.23 4336,842.23 4310.23,868 4291.23,868 4282.34,876.89 4274.89,876.89 3931,1220.77 3931,1223 ; v3(5336,2453) 5328.42,2453 5294.57,2419.14 5154.07,2419.14 5148.72,2424.5 5034.5,2424.5 4851.43,2241.43 4851.43,2212.43 v3(4663,2024) 4440.71,2024 4427.71,2037 3890.39,2037 3726.39,1873 3598,1873 v3@3310,1585 ; v3@3302.5,1577.5 v3(3305,1580) ; v3(3305,1580) 3662,1223 3931,1223 ; v3(3305,1580) v3@3310,1585
  POWER w60: v4(1275,2745) 1275,2521.85 1322,2474.85 1322,1872 1664,1530 v9(2592,1530)
  Bottom Layer w20: v3@3296.28,835 v3(3300,835)
  Bottom Layer w40: v4@1267,2737 v4(1275,2745) 1282.65,2752.65 1512.65,2752.65 1801.85,3041.85 1801.85,3071.85 U5.2@1807,3077 U5.1@1807,3177